# KiCad board EC87.kicad_pcb
title: EC87; date: 2022-03-30; rev: 1; company: Cipulot's PCB Design; note: Cipulot
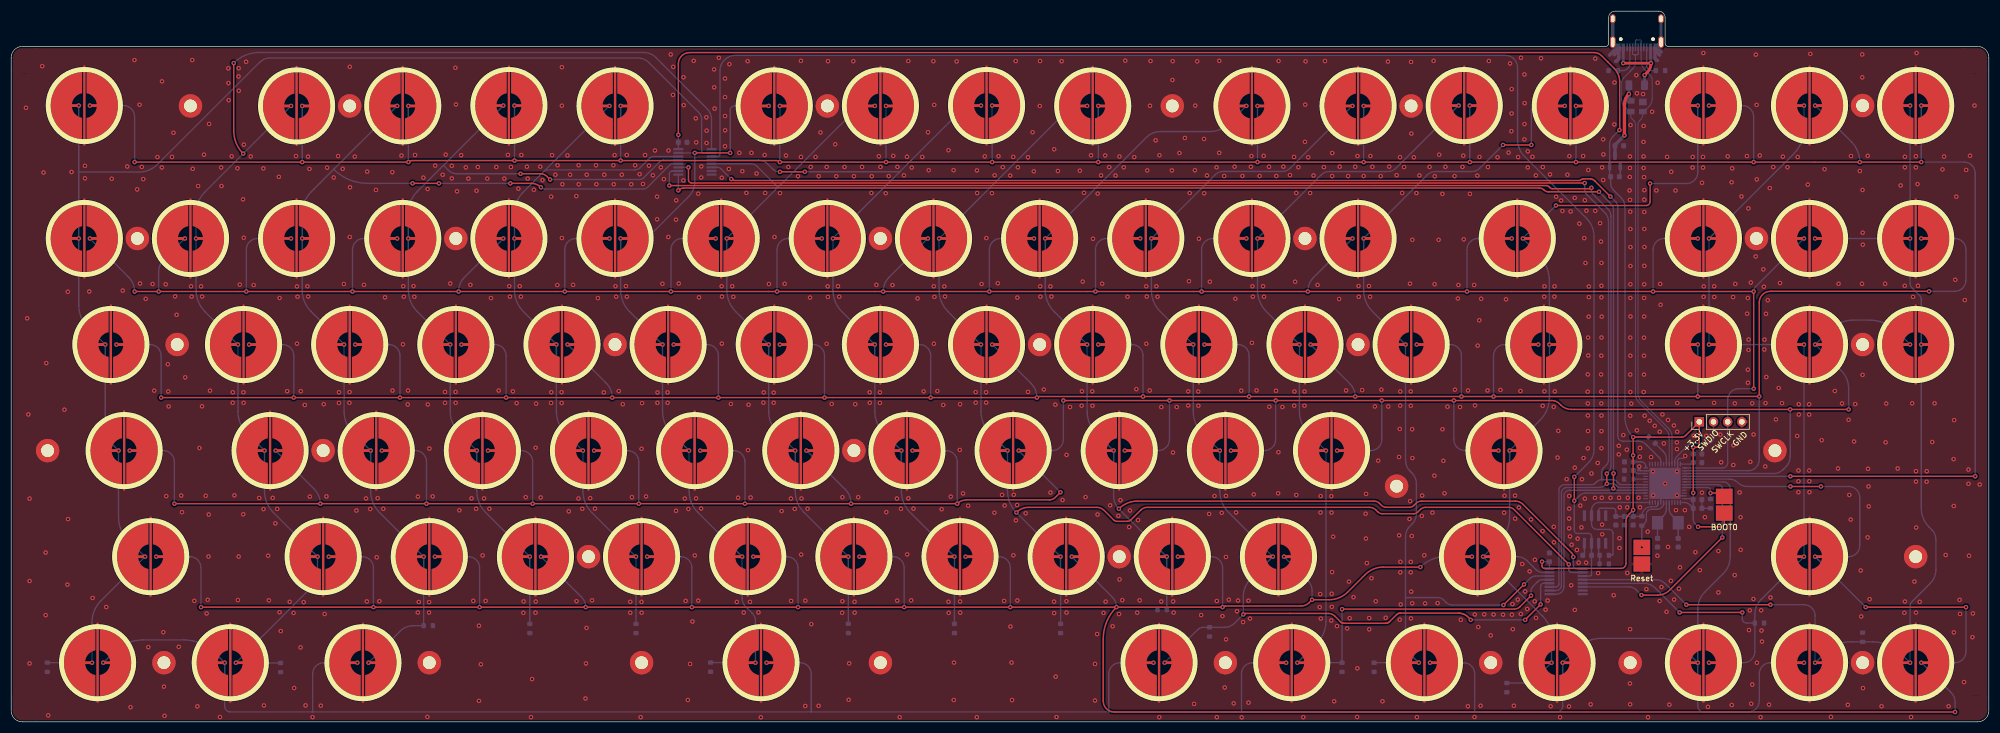
[diagram p0: board, top side]
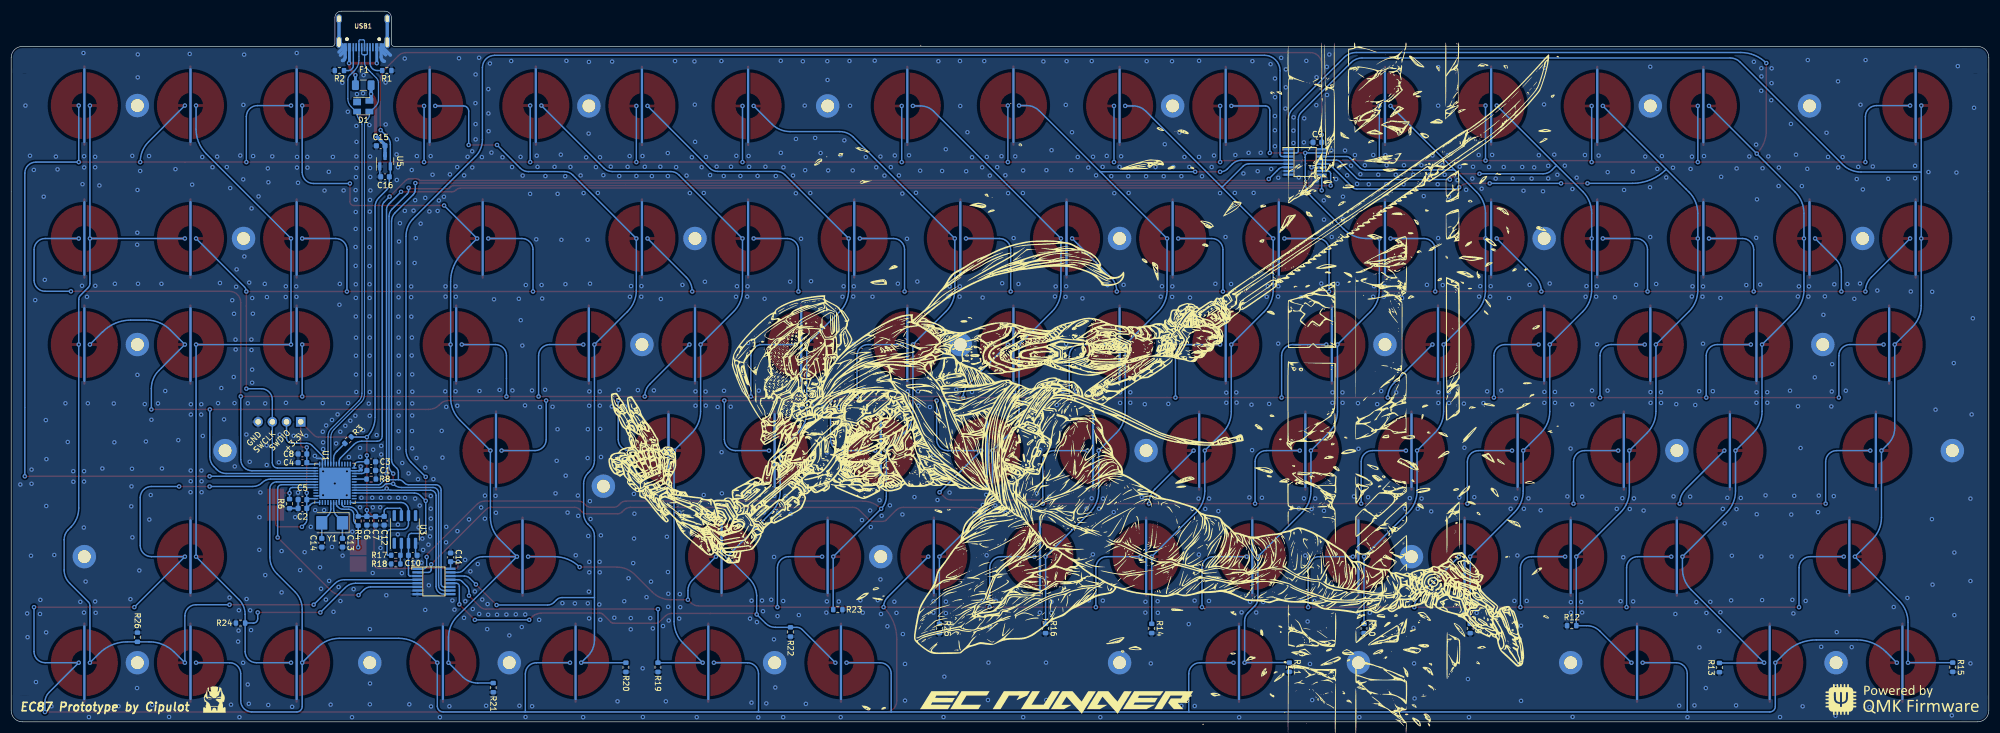
[diagram p1: board, bottom side, seen from below]

Outline 354 x 127.32 mm; copper layers: Top, Bottom. Coordinates in mm from the lower left corner of the outline.
Outline path: 0,119 arc(0.59,120.41) 2,121 285.4,121 arc(285.79,121.16) 285.95,121.55 285.95,126.17 arc(286.29,126.98) 287.09,127.32 294.91,127.32 arc(295.72,126.98) 296.05,126.17 296.05,121.55 arc(296.21,121.16) 296.6,121 352,121 arc(353.41,120.41) 354,119 354,2 arc(353.41,0.59) 352,0 2,0 arc(0.59,0.59) 0,2 0,95 0,119
Stack: Top 0.035mm / dielectric 1.51mm FR4 er 4.5 / Bottom 0.035mm

## Placement (name value [footprint] x y rotation side)
C1  4.7u  [C_0603_1608Metric]  289.55 45.04 180 bottom
C2  100n  [C_0603_1608Metric]  301.86 38.25 0 bottom
C3  100n  [C_0603_1608Metric]  289.55 46.59 180 bottom
C4  100n  [C_0603_1608Metric]  301.86 46.44 0 bottom
C5  100n  [C_0603_1608Metric]  301.86 39.81 0 bottom
C6  100n  [C_0603_1608Metric]  290.33 36.03 270 bottom
C7  1u  [C_0603_1608Metric]  288.78 36.03 270 bottom
C8  1u  [C_0603_1608Metric]  301.86 47.99 0 bottom
C9  0.1u  [C_0603_1608Metric]  120.19 103.83 180 bottom
C10  220p  [C_0603_1608Metric]  282.11 29.84 180 bottom
C11  0.1u  [C_0603_1608Metric]  275.34 29.47 270 bottom
C12  0.1u  [C_0603_1608Metric]  287.23 36.03 90 bottom
C13  12p  [C_0603_1608Metric]  294.7 32.09 270 bottom
C14  12p  [C_0603_1608Metric]  298.4 32.09 270 bottom
C15  1u  [C_0603_1608Metric]  287.85 103.2 0 bottom
C16  1u  [C_0603_1608Metric]  287.08 97.65 0 bottom
D1  PRTR5V0U2X  [SOT-143]  290.98 110.29 180 bottom
F1  500mA  [Fuse_1206_3216Metric]  290.98 114.06 0 bottom
G***  LOGO  [ecRunnerSilk]  167.08 3.88 180 bottom
G***#2  LOGO  [GhostrunnerSilk]  164.54 59.76 180 bottom
G***#3  LOGO  [qmkSilk]  15.47 4.04 180 bottom
G***#4  LOGO  [IronMan_small]  317.63 4.05 180 bottom
J1  SW Debug  [PinHeader_1x04_P2.54mm_Vertical]  302.17 53.75 90 top
NOREF  -  [unnamed]  315.71 48.59 0 top
NOREF#2  -  [unnamed]  231.59 86.59 0 top
NOREF#3  -  [unnamed]  241.09 67.59 0 top
NOREF#4  -  [M2_Hole_TH]  27.34 10.59 0 top
NOREF#5  -  [M2_Hole_TH]  22.59 86.59 0 top
NOREF#6  -  [unnamed]  150.84 48.59 0 top
NOREF#7  -  [unnamed]  250.59 110.34 0 top
NOREF#8  -  [M2_Hole_TH]  74.84 10.59 0 top
NOREF#9  -  [M2_Hole_TH]  155.59 10.59 0 top
NOREF#10  -  [unnamed]  184.09 67.59 0 top
NOREF#11  -  [M2_Hole_TH]  29.72 67.59 0 top
NOREF#12  -  [unnamed]  331.41 67.59 0 top
NOREF#13  -  [unnamed]  79.59 86.59 0 top
NOREF#14  -  [unnamed]  6.52 48.59 0 top
NOREF#15  -  [unnamed]  289.81 10.59 0 top
NOREF#16  -  [unnamed]  198.34 29.59 0 top
NOREF#17  -  [M2_Hole_TH]  207.84 110.34 0 top
NOREF#18  -  [unnamed]  312.41 86.59 0 top
NOREF#19  -  [unnamed]  331.41 10.59 0 top
NOREF#20  -  [unnamed]  60.59 110.34 0 top
NOREF#21  -  [unnamed]  217.34 10.59 0 top
NOREF#22  -  [unnamed]  55.84 48.59 0 top
NOREF#23  -  [M2_Hole_TH]  112.84 10.59 0 top
NOREF#24  -  [unnamed]  264.84 10.59 0 top
NOREF#25  -  [unnamed]  331.41 110.41 0 top
NOREF#26  -  [M2_Hole_TH]  103.34 29.59 0 top
NOREF#27  -  [unnamed]  340.91 29.59 0 top
NOREF#28  -  [unnamed]  155.59 86.59 0 top
NOREF#29  -  [M2_Hole_TH]  146.09 110.34 0 top
NOREF#30  -  [unnamed]  108.09 67.59 0 top
NOREF#31  -  [unnamed]  247.99 42.22 0 top
NOREF#32  -  [unnamed]  32.09 110.34 90 top
R1  5.1k  [R_0603_1608Metric]  286.76 116.68 0 bottom
R2  5.1k  [R_0603_1608Metric]  295.24 116.68 0 bottom
R3  100k  [R_0603_1608Metric]  293.68 50.48 135 bottom
R4  10k  [R_0603_1608Metric]  291.88 35.98 270 bottom
R6  10k  [R_0603_1608Metric]  304.17 39.08 270 bottom
R8  10k  [R_0603_1608Metric]  289.55 43.49 0 bottom
R9  100k  [R_0603_1608Metric]  92.83 16.73 270 bottom
R10  100k  [R_0603_1608Metric]  111.84 16.73 270 bottom
R11  100k  [R_0603_1608Metric]  125.2 9.8 270 bottom
R12  100k  [R_0603_1608Metric]  74.66 17.23 0 bottom
R13  100k  [R_0603_1608Metric]  48.22 9.73 270 bottom
R14  100k  [R_0603_1608Metric]  149.84 16.73 270 bottom
R15  100k  [R_0603_1608Metric]  6.46 9.79 270 bottom
R16  100k  [R_0603_1608Metric]  168.84 16.73 270 bottom
R17  100k  [R_0603_1608Metric]  285.15 29.84 180 bottom
R18  1k  [R_0603_1608Metric]  285.15 28.29 0 bottom
R19  100k  [R_0603_1608Metric]  238.22 9.77 270 bottom
R20  100k  [R_0603_1608Metric]  243.96 9.77 270 bottom
R21  100k  [R_0603_1608Metric]  267.71 6.13 270 bottom
R22  100k  [R_0603_1608Metric]  214.5 16.11 270 bottom
R23  100k  [R_0603_1608Metric]  206.03 20.1 180 bottom
R24  100k  [R_0603_1608Metric]  312.94 17.7 0 bottom
R25  100k  [R_0603_1608Metric]  187.84 16.73 270 bottom
R26  100k  [R_0603_1608Metric]  331.4 15.16 90 bottom
SW1  BOOT0  [Jumper-UserFriendly]  306.64 38.9 180 top
SW2  EC_SW  [ecs_pad_no_ring]  13.09 110.41 0 top
SW3  EC_SW  [ecs_pad_no_ring]  51.09 110.34 0 top
SW4  EC_SW  [ecs_pad_no_ring]  70.09 110.34 0 top
SW5  EC_SW  [ecs_pad_no_ring]  89.09 110.41 0 top
SW6  EC_SW  [ecs_pad_no_ring]  108.09 110.34 0 top
SW7  EC_SW  [ecs_pad_no_ring]  136.59 110.34 0 top
SW8  EC_SW  [ecs_pad_no_ring]  155.59 110.34 0 top
SW9  EC_SW  [ecs_pad_no_ring]  174.59 110.41 0 top
SW10  EC_SW  [ecs_pad_no_ring]  193.59 110.34 0 top
SW11  EC_SW  [ecs_pad_no_ring]  222.09 110.34 0 top
SW12  EC_SW  [ecs_pad_no_ring]  241.09 110.34 0 top
SW13  EC_SW  [ecs_pad_no_ring]  260.09 110.41 0 top
SW14  EC_SW  [ecs_pad_no_ring]  279.09 110.34 0 top
SW15  EC_SW  [ecs_pad_no_ring]  302.91 110.41 0 top
SW16  EC_SW  [ecs_pad_no_ring]  321.91 110.41 0 top
SW17  EC_SW  [ecs_pad_no_ring]  340.91 110.41 0 top
SW18  EC_SW  [ecs_pad_no_ring]  13.09 86.59 0 top
SW19  EC_SW  [ecs_pad_no_ring]  32.09 86.59 180 top
SW20  EC_SW  [ecs_pad_no_ring]  51.09 86.59 180 top
SW21  EC_SW  [ecs_pad_no_ring]  70.09 86.59 180 top
SW22  EC_SW  [ecs_pad_no_ring]  89.09 86.59 180 top
SW23  EC_SW  [ecs_pad_no_ring]  108.09 86.59 180 top
SW24  EC_SW  [ecs_pad_no_ring]  127.09 86.59 180 top
SW25  EC_SW  [ecs_pad_no_ring]  146.09 86.59 180 top
SW26  EC_SW  [ecs_pad_no_ring]  165.09 86.59 180 top
SW27  EC_SW  [ecs_pad_no_ring]  184.09 86.59 180 top
SW28  EC_SW  [ecs_pad_no_ring]  203.09 86.59 180 top
SW29  EC_SW  [ecs_pad_no_ring]  222.09 86.59 180 top
SW30  EC_SW  [ecs_pad_no_ring]  241.09 86.59 180 top
SW31  EC_SW  [ecs_pad_no_ring]  269.59 86.59 180 top
SW32  EC_SW  [ecs_pad_no_ring]  302.91 86.59 180 top
SW33  EC_SW  [ecs_pad_no_ring]  321.91 86.59 180 top
SW34  EC_SW  [ecs_pad_no_ring]  340.91 86.59 0 top
SW35  EC_SW  [ecs_pad_no_ring]  17.84 67.59 0 top
SW36  EC_SW  [ecs_pad_no_ring]  41.59 67.59 0 top
SW37  EC_SW  [ecs_pad_no_ring]  60.59 67.59 0 top
SW38  EC_SW  [ecs_pad_no_ring]  79.59 67.59 0 top
SW39  EC_SW  [ecs_pad_no_ring]  98.59 67.59 0 top
SW40  EC_SW  [ecs_pad_no_ring]  117.59 67.59 0 top
SW41  EC_SW  [ecs_pad_no_ring]  136.59 67.59 0 top
SW42  EC_SW  [ecs_pad_no_ring]  155.59 67.59 0 top
SW43  EC_SW  [ecs_pad_no_ring]  174.59 67.59 0 top
SW44  EC_SW  [ecs_pad_no_ring]  193.59 67.59 0 top
SW45  EC_SW  [ecs_pad_no_ring]  212.59 67.59 0 top
SW46  EC_SW  [ecs_pad_no_ring]  231.59 67.59 0 top
SW47  EC_SW  [ecs_pad_no_ring]  250.59 67.59 0 top
SW48  EC_SW  [ecs_pad_no_ring]  274.34 67.59 180 top
SW49  EC_SW  [ecs_pad_no_ring]  302.91 67.59 180 top
SW50  EC_SW  [ecs_pad_no_ring]  321.91 67.59 0 top
SW51  EC_SW  [ecs_pad_no_ring]  340.91 67.59 180 top
SW52  EC_SW  [ecs_pad_no_ring]  20.22 48.59 0 top
SW53  EC_SW  [ecs_pad_no_ring]  46.34 48.59 0 top
SW54  EC_SW  [ecs_pad_no_ring]  65.34 48.59 0 top
SW55  EC_SW  [ecs_pad_no_ring]  84.34 48.59 0 top
SW56  EC_SW  [ecs_pad_no_ring]  103.34 48.59 0 top
SW57  EC_SW  [ecs_pad_no_ring]  122.34 48.59 0 top
SW58  EC_SW  [ecs_pad_no_ring]  141.34 48.59 0 top
SW59  EC_SW  [ecs_pad_no_ring]  160.34 48.59 0 top
SW60  EC_SW  [ecs_pad_no_ring]  179.34 48.59 0 top
SW61  EC_SW  [ecs_pad_no_ring]  198.34 48.59 0 top
SW62  EC_SW  [ecs_pad_no_ring]  217.34 48.59 0 top
SW63  EC_SW  [ecs_pad_no_ring]  236.34 48.59 0 top
SW64  EC_SW  [ecs_pad_no_ring]  267.22 48.59 180 top
SW65  EC_SW  [ecs_pad_no_ring]  24.97 29.59 0 top
SW66  EC_SW  [ecs_pad_no_ring]  55.84 29.59 0 top
SW67  EC_SW  [ecs_pad_no_ring]  74.84 29.59 0 top
SW68  EC_SW  [ecs_pad_no_ring]  93.84 29.59 0 top
SW69  EC_SW  [ecs_pad_no_ring]  112.84 29.59 0 top
SW70  EC_SW  [ecs_pad_no_ring]  131.84 29.59 0 top
SW71  EC_SW  [ecs_pad_no_ring]  150.84 29.59 0 top
SW72  EC_SW  [ecs_pad_no_ring]  169.84 29.59 0 top
SW73  EC_SW  [ecs_pad_no_ring]  188.84 29.59 0 top
SW74  EC_SW  [ecs_pad_no_ring]  207.84 29.59 0 top
SW75  EC_SW  [ecs_pad_no_ring]  226.84 29.59 0 top
SW76  EC_SW  [ecs_pad_no_ring]  262.47 29.59 180 top
SW77  EC_SW  [ecs_pad_no_ring]  321.91 29.59 0 top
SW78  EC_SW  [ecs_pad_no_ring]  15.47 10.59 0 top
SW79  EC_SW  [ecs_pad_no_ring]  39.22 10.59 180 top
SW80  EC_SW  [ecs_pad_no_ring]  62.97 10.59 180 top
SW81  EC_SW  [ecs_pad_no_ring]  134.22 10.59 0 top
SW82  EC_SW  [ecs_pad_no_ring]  205.47 10.59 180 top
SW83  EC_SW  [ecs_pad_no_ring]  229.22 10.59 180 top
SW84  EC_SW  [ecs_pad_no_ring]  252.97 10.59 0 top
SW85  EC_SW  [ecs_pad_no_ring]  276.72 10.59 0 top
SW86  EC_SW  [ecs_pad_no_ring]  302.91 10.59 180 top
SW87  EC_SW  [ecs_pad_no_ring]  321.91 10.59 180 top
SW88  EC_SW  [ecs_pad_no_ring]  340.91 10.59 0 top
SW89  Reset  [Jumper-UserFriendly]  291.88 29.77 0 top
U1  STM32F411CEUx  [QFN-48-1EP_7x7mm_P0.5mm_EP5.6x5.6mm]  296.03 42.74 90 bottom
U2  74HC4051  [TSSOP16]  122.39 100.31 270 bottom
U3  OPA350  [SOIC-8_3.9x4.9mm_P1.27mm]  283.52 34.47 90 bottom
U4  74HC4051  [TSSOP16]  278.32 25.15 270 bottom
U5  XC6206PxxxMR  [SOT-23]  287.07 100.45 90 bottom
USB1  HRO-TYPE-C-31-M-12  [HRO-TYPE-C-31-M-12-Assembly]  291 128.55 0 bottom
Y1  8MHz  [Crystal_SMD_5032-2Pin_5.0x3.2mm]  296.55 35.66 0 bottom

## Footprints (pads in the part's own frame, mm; a bottom-side part is the same pattern mirrored in y, then rotated)
C_0603_1608Metric
  rrect 0.9x0.95 smd: 1(-0.775,0) 2(0.775,0)
Crystal_SMD_5032-2Pin_5.0x3.2mm
  rect 2x2.4 smd: 1(-1.85,0) 2(1.85,0)
ecs_pad_no_ring
  custom 5.595x11.973 smd: 1(-1,0) 2(1,0)
  custom 0.4x14.4 smd: 3(0,0)
  custom 0.4x13.4 smd far side: 3(0,0)
Fuse_1206_3216Metric
  rrect 1.25x1.75 smd: 1(-1.4,0) 2(1.4,0)
HRO-TYPE-C-31-M-12-Assembly
  round 0.65 hole 0.65 unplated: (-2.89,6.25) (2.89,6.25)
  rect 0.6x1.45 smd: 1(-3.225,7.695) 2(-2.45,7.695) 11(2.45,7.695) 12(3.225,7.695)
  rect 0.3x1.45 smd: 3(-1.75,7.695) 4(-1.25,7.695) 5(-0.75,7.695) 6(-0.25,7.695) 7(0.25,7.695) 8(0.75,7.695) 9(1.25,7.695) 10(1.75,7.695)
  oval 1x1.6 hole 0.6x1.2: 13(-4.32,2.6) 13(4.32,2.6)
  oval 1x2.1 hole 0.6x1.7: 13(-4.32,6.78) 13(4.32,6.78)
Jumper-UserFriendly
  rect 3x2.75 smd: 1(0,1.499) 2(0,-1.499)
M2_Hole_TH
  round 4.2 hole 2.3: (0,0)
PinHeader_1x04_P2.54mm_Vertical
  rect 1.7x1.7 hole 1: 1(0,0)
  oval 1.7x1.7 hole 1: 2(0,-2.54) 3(0,-5.08) 4(0,-7.62)
QFN-48-1EP_7x7mm_P0.5mm_EP5.6x5.6mm
  rrect 1.13x1.13 smd: (-2.1,-2.1) (-2.1,-0.7) (-2.1,0.7) (-2.1,2.1) (-0.7,-2.1) (-0.7,-0.7) (-0.7,0.7) (-0.7,2.1) (0.7,-2.1) (0.7,-0.7) (0.7,0.7) (0.7,2.1) (2.1,-2.1) (2.1,-0.7) (2.1,0.7) (2.1,2.1)
  rrect 0.875x0.25 smd: 1(-3.438,2.75) 2(-3.438,2.25) 3(-3.438,1.75) 4(-3.438,1.25) 5(-3.438,0.75) 6(-3.438,0.25) 7(-3.438,-0.25) 8(-3.438,-0.75) 9(-3.438,-1.25) 10(-3.438,-1.75) 11(-3.438,-2.25) 12(-3.438,-2.75) 25(3.438,-2.75) 26(3.438,-2.25) 27(3.438,-1.75) 28(3.438,-1.25) 29(3.438,-0.75) 30(3.438,-0.25) 31(3.438,0.25) 32(3.438,0.75) 33(3.438,1.25) 34(3.438,1.75) 35(3.438,2.25) 36(3.438,2.75)
  rrect 0.25x0.875 smd: 13(-2.75,-3.438) 14(-2.25,-3.438) 15(-1.75,-3.438) 16(-1.25,-3.438) 17(-0.75,-3.438) 18(-0.25,-3.438) 19(0.25,-3.438) 20(0.75,-3.438) 21(1.25,-3.438) 22(1.75,-3.438) 23(2.25,-3.438) 24(2.75,-3.438) 37(2.75,3.438) 38(2.25,3.438) 39(1.75,3.438) 40(1.25,3.438) 41(0.75,3.438) 42(0.25,3.438) 43(-0.25,3.438) 44(-0.75,3.438) 45(-1.25,3.438) 46(-1.75,3.438) 47(-2.25,3.438) 48(-2.75,3.438)
  rect 5.6x5.6 smd: 49(0,0)
R_0603_1608Metric
  rrect 0.8x0.95 smd: 1(-0.825,0) 2(0.825,0)
SOIC-8_3.9x4.9mm_P1.27mm
  rrect 1.95x0.6 smd: 1(-2.475,1.905) 2(-2.475,0.635) 3(-2.475,-0.635) 4(-2.475,-1.905) 5(2.475,-1.905) 6(2.475,-0.635) 7(2.475,0.635) 8(2.475,1.905)
SOT-23
  rrect 1.475x0.6 smd: 1(-0.938,0.95) 2(-0.938,-0.95) 3(0.938,0)
SOT-143
  rect 1.4x1.2 smd: 1(-1.1,0.77)
  rect 1.4x1 smd: 2(-1.1,-0.95) 3(1.1,-0.95) 4(1.1,0.95)
TSSOP16
  rect 0.419x1.778 smd: 1(-2.273,-2.974) 2(-1.623,-2.974) 3(-0.973,-2.974) 4(-0.323,-2.974) 5(0.323,-2.974) 6(0.973,-2.974) 7(1.623,-2.974) 8(2.273,-2.974) 9(2.273,2.974) 10(1.623,2.974) 11(0.973,2.974) 12(0.323,2.974) 13(-0.323,2.974) 14(-0.973,2.974) 15(-1.623,2.974) 16(-2.273,2.974)
unnamed
  round 4.2 hole 2.3: (0,0)

## Nets
+5V: C15.1 D1.4 F1.1 U5.3
GND: C1.2 C2.2 C3.2 C4.2 C5.2 C6.2 C7.2 C8.2 C9.1 C10.2 C11.1 C12.1 C13.2 C14.2 C15.2 C16.2 D1.1 J1.4 NOREF. NOREF#2. NOREF#3. NOREF#4. NOREF#5. NOREF#6. NOREF#7. NOREF#8. NOREF#9. NOREF#10. NOREF#11. NOREF#12. NOREF#13. NOREF#14. NOREF#15. NOREF#16. NOREF#17. NOREF#18. NOREF#19. NOREF#20. NOREF#21. NOREF#22. NOREF#23. NOREF#24. NOREF#25. NOREF#26. NOREF#27. NOREF#28. NOREF#29. NOREF#30. NOREF#31. NOREF#32. R1.1 R2.2 R6.2 R8.1 R9.2 R10.2 R11.2 R12.2 R13.2 R14.2 R15.2 R16.2 R18.2 R19.2 R20.2 R21.2 R22.2 R23.2 R24.2 R25.2 R26.2 SW2.3 SW3.3 SW4.3 SW5.3 SW6.3 SW7.3 SW8.3 SW9.3 SW10.3 SW11.3 SW12.3 SW13.3 SW14.3 SW15.3 SW16.3 SW17.3 SW18.3 SW19.3 SW20.3 SW21.3 SW22.3 SW23.3 SW24.3 SW25.3 SW26.3 SW27.3 SW28.3 SW29.3 SW30.3 SW31.3 SW32.3 SW33.3 SW34.3 SW35.3 SW36.3 SW37.3 SW38.3 SW39.3 SW40.3 SW41.3 SW42.3 SW43.3 SW44.3 SW45.3 SW46.3 SW47.3 SW48.3 SW49.3 SW50.3 SW51.3 SW52.3 SW53.3 SW54.3 SW55.3 SW56.3 SW57.3 SW58.3 SW59.3 SW60.3 SW61.3 SW62.3 SW63.3 SW64.3 SW65.3 SW66.3 SW67.3 SW68.3 SW69.3 SW70.3 SW71.3 SW72.3 SW73.3 SW74.3 SW75.3 SW76.3 SW77.3 SW78.3 SW79.3 SW80.3 SW81.3 SW82.3 SW83.3 SW84.3 SW85.3 SW86.3 SW87.3 SW88.3 SW89.2 U1.8 U1.23 U1.35 U1.47 U1.49 U2.7 U2.8 U3.4 U4.7 U4.8 U5.1 USB1.1 USB1.12 USB1.13
VBAT: C2.1 C3.1 C4.1 C5.1 C6.1 C7.1 C8.1 C9.2 C11.2 C12.2 C16.1 J1.1 R3.2 R4.1 SW1.1 U1.1 U1.9 U1.24 U1.36 U1.48 U2.16 U3.7 U4.16 U5.2
VBUS: F1.2 USB1.2 USB1.11
ADC: R17.1 U1.12 U3.6
AMUX_SEL_0: U1.18 U2.11 U4.11
AMUX_SEL_1: U1.17 U2.10 U4.10
AMUX_SEL_2: U1.16 U2.9 U4.9
APLEX_EN_PIN_0: U1.29 U2.6
APLEX_EN_PIN_1: U1.43 U4.6
APLEX_OUT_PIN_0: C10.1 U1.15 U2.3 U3.3 U4.3
BOOT0: R6.1 SW1.2 U1.44
BOOT1: R8.2 U1.20
COL0: R15.1 SW2.1 SW18.1 SW35.1 SW52.1 SW65.1 SW78.1 U2.2
COL1: R13.1 SW3.1 SW19.1 SW36.1 SW53.1 SW66.1 SW79.1 U2.1
COL2: R12.1 SW4.1 SW20.1 SW37.1 SW54.1 SW67.1 SW80.1 U2.12
COL3: R9.1 SW5.1 SW21.1 SW38.1 SW55.1 SW68.1 U2.13
COL4: R10.1 SW6.1 SW22.1 SW39.1 SW56.1 SW69.1 U2.14
COL5: R11.1 SW7.1 SW23.1 SW40.1 SW57.1 SW70.1 SW81.1 U2.15
COL6: R14.1 SW8.1 SW24.1 SW41.1 SW58.1 SW71.1 U2.5
COL7: R16.1 SW9.1 SW25.1 SW42.1 SW59.1 SW72.1 U2.4
COL8: R25.1 SW10.1 SW26.1 SW43.1 SW60.1 SW73.1 U4.2
COL9: R23.1 SW11.1 SW27.1 SW44.1 SW61.1 SW74.1 U4.1
COL10: R22.1 SW12.1 SW28.1 SW45.1 SW62.1 SW75.1 SW82.1 U4.12
COL11: R19.1 SW13.1 SW29.1 SW46.1 SW63.1 SW83.1 U4.13
COL12: R20.1 SW14.1 SW30.1 SW47.1 SW84.1 U4.14
COL13: R21.1 SW15.1 SW31.1 SW48.1 SW64.1 SW76.1 SW85.1 U4.15
COL14: R24.1 SW16.1 SW32.1 SW49.1 SW50.1 SW77.1 SW86.1 U4.5
COL15: R26.1 SW17.1 SW33.1 SW34.1 SW51.1 SW87.1 SW88.1 U4.4
D+: D1.2 U1.33 USB1.6 USB1.8
D-: D1.3 U1.32 USB1.5 USB1.7
NRST: R4.2 SW89.1 U1.7
ROW0: SW2.2 SW3.2 SW4.2 SW5.2 SW6.2 SW7.2 SW8.2 SW9.2 SW10.2 SW11.2 SW12.2 SW13.2 SW14.2 SW15.2 SW16.2 SW17.2 U1.40
ROW1: J1.3 SW18.2 SW19.2 SW20.2 SW21.2 SW22.2 SW23.2 SW24.2 SW25.2 SW26.2 SW27.2 SW28.2 SW29.2 SW30.2 SW31.2 SW32.2 SW33.2 U1.37
ROW2: SW34.2 SW35.2 SW36.2 SW37.2 SW38.2 SW39.2 SW40.2 SW41.2 SW42.2 SW43.2 SW44.2 SW45.2 SW46.2 SW47.2 SW48.2 SW49.2 U1.38
ROW3: SW50.2 SW51.2 SW52.2 SW53.2 SW54.2 SW55.2 SW56.2 SW57.2 SW58.2 SW59.2 SW60.2 SW61.2 SW62.2 SW63.2 SW64.2 U1.39
ROW4: SW65.2 SW66.2 SW67.2 SW68.2 SW69.2 SW70.2 SW71.2 SW72.2 SW73.2 SW74.2 SW75.2 SW76.2 SW77.2 SW88.2 U1.41
ROW5: SW78.2 SW79.2 SW80.2 SW81.2 SW82.2 SW83.2 SW84.2 SW85.2 SW86.2 SW87.2 U1.42
SWDIO: J1.2 U1.34
XTAL0: C14.1 U1.5 Y1.2
XTAL1: C13.1 U1.6 Y1.1
Net-(C1-Pad1): C1.1 U1.22
Net-(R1-Pad2): R1.2 USB1.4
Net-(R2-Pad1): R2.1 USB1.10
Net-(R3-Pad1): R3.1 U1.31
Net-(R17-Pad2): R17.2 R18.1 U3.2

Pads without a net: U1 2 3 4 10 11 13 14 19 21 25 26 27 28 30 45 46; U3 1 5 8; USB1 3 9

## Via types
v1: diameter 0.8, hole 0.4, Top to Bottom, 1571 vias
